# Altium PCB CU-ON-OFF-V2-08-11-18.PcbDoc (part 10 of 14)
Units mm, origin at the board's own origin, x right, y up, seen from the top; angles counter-clockwise.
Board outline 213 x 122.62 mm, 2 copper layers (Top Layer, Bottom Layer); 304 components, 53 nets, 991 pads, 702 vias.
Unrouted connection lines stored in the file: 1.
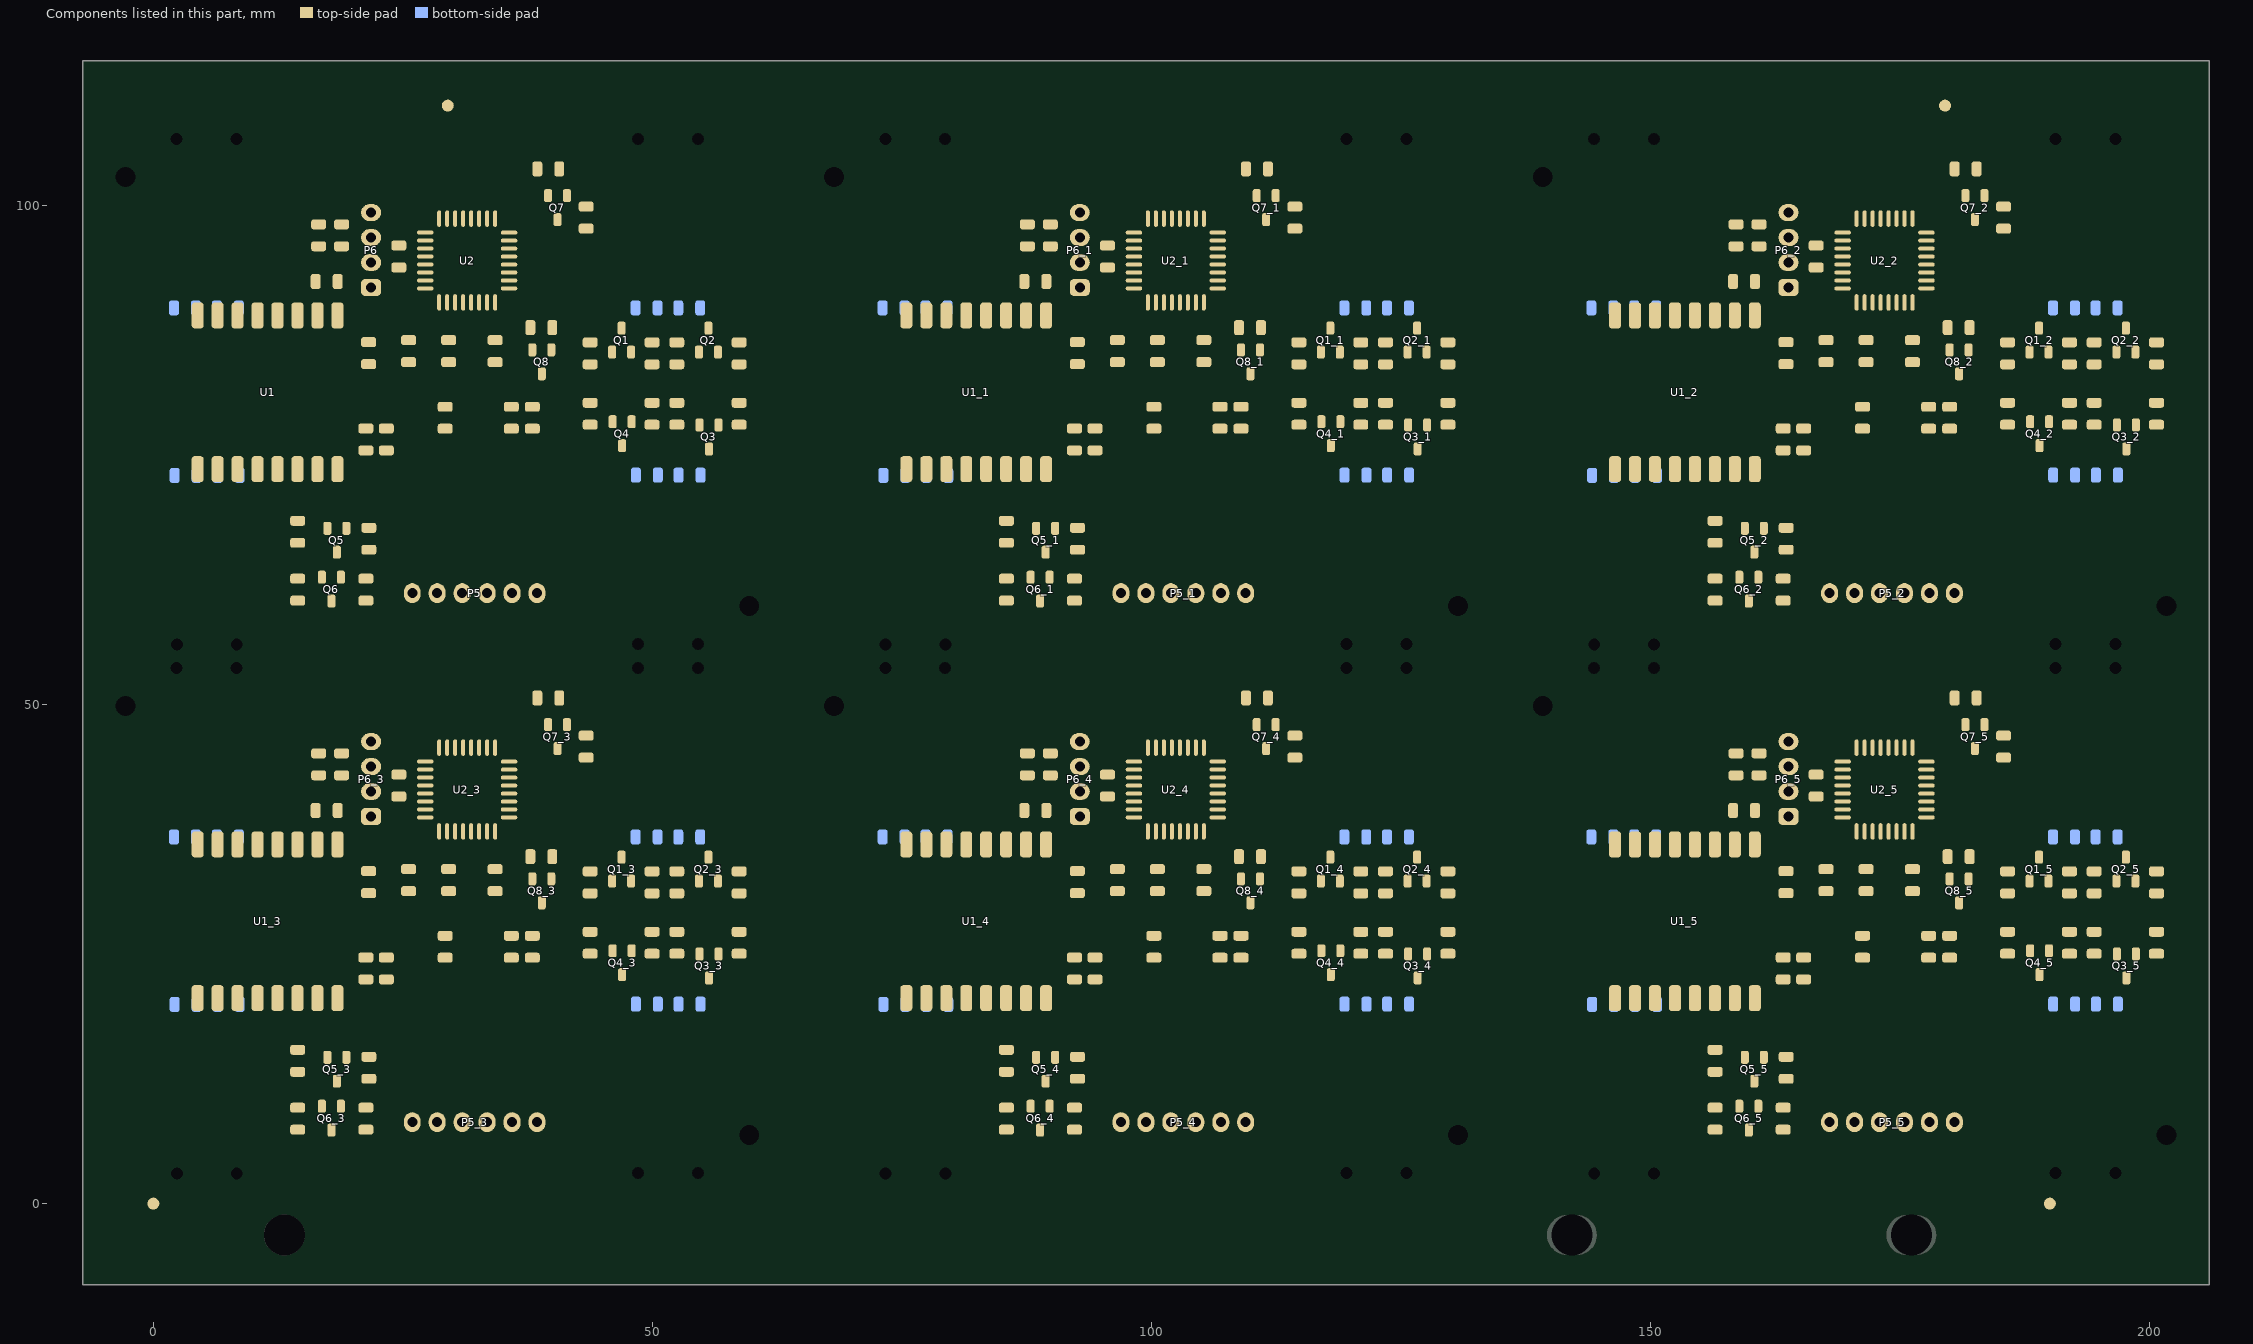
[diagram p10: the components of this part, seen from the top]

## Via types
v1: diameter 0.8, hole 0.5, Top Layer to Bottom Layer, 702 vias

## Nets (pads, with @x,y where several pads share a name; then routed paths per layer and width w, separated by ;. In a path a pad name is that pad's centre, name@x,y a point inside that pad or via, vN(x,y) a via of type N, cw(c..) or ccw(c..) an arc to the next point about the centre after c; other vN are vias at no path point) (continued)
copper on no net: (continued)
  Bottom Layer w0.4: 1.841,20.157 1.841,20.883 cw(c2.865,20.883) 2.141,21.607 ; 1.841,73.156 1.841,73.882 cw(c2.865,73.882) 2.141,74.606 ; 1.929,20.419 ccw(c1.417,20.931) 2.141,20.931 ccw(c2.865,20.931) 2.353,20.419 ; 2.066,36.182 cw(c2.066,35.76) 2.365,36.058 ; 2.066,36.732 2.066,36.357 7.141,31.282 30.741,31.282 31.341,30.682 31.341,28.657 28.87,26.186 ; 2.141,19.957 2.141,21.607 ; 2.366,36.482 ccw(c3.392,36.482) 2.667,35.756 ; 2.441,20.232 2.441,20.899 cw(c4.874,20.899) 3.153,22.62 ; 2.441,73.231 2.441,73.898 cw(c4.874,73.898) 3.153,75.619 ; 4.129,73.418 cw(c4.341,73.63) 4.041,73.63 4.041,74.082 cw(c5.065,74.082) 4.341,74.806 ; 4.166,36.482 ccw(c4.951,36.482) 4.396,35.927 ; 4.266,36.732 4.266,36.057 8.041,32.282 34.741,32.282 ; 4.341,19.957 4.341,21.807 ; 4.553,20.419 cw(c5.065,20.931) 4.341,20.931 cw(c3.617,20.931) 4.129,20.419 cw(c4.341,20.631) 4.041,20.631 4.041,21.083 cw(c5.065,21.083) 4.341,21.807 ; 4.566,36.482 ccw(c6.316,36.482) 5.079,35.244 ; 4.641,19.832 4.641,21.232 cw(c6.452,21.232) 5.172,22.513 cw(c5.641,22.043) 5.641,22.707 ; 4.641,72.831 4.641,74.231 cw(c6.452,74.231) 5.172,75.512 cw(c5.641,75.042) 5.641,75.706 ; 6.066,36.857 6.066,37.518 cw(c7.005,37.518) 6.341,38.182 cw(c7.065,37.458) 7.065,38.482 7.091,38.482 ; 6.066,89.856 6.066,90.517 cw(c7.005,90.517) 6.341,91.181 cw(c7.065,90.457) 7.065,91.481 7.091,91.481 ; 6.141,20.407 6.141,20.762 cw(c7.336,20.762) 6.491,21.607 cw(c6.732,21.366) 6.732,21.707 7.891,21.707 7.741,21.707 ; 6.141,73.406 6.141,73.761 cw(c7.336,73.761) 6.491,74.606 cw(c6.732,74.365) 6.732,74.706 7.891,74.706 7.741,74.706 ; 6.154,37.194 ccw(c5.642,37.706) 6.366,37.706 ccw(c7.09,37.706) 6.578,37.194 ; 6.229,20.419 ccw(c5.717,20.931) 6.441,20.931 ccw(c7.165,20.931) 6.653,20.419 ; 6.366,36.732 6.366,37.757 7.091,38.482 ; 6.441,19.957 6.441,21.232 6.916,21.707 10.216,21.707 14.466,17.457 14.466,12.503 v1(14.833,12.137) ; 6.666,37.032 6.666,37.533 cw(c7.69,37.533) 6.966,38.257 cw(c7.509,37.714) 7.509,38.482 7.841,38.482 ; 6.666,90.031 6.666,90.532 cw(c7.69,90.532) 6.966,91.256 cw(c7.509,90.713) 7.509,91.481 7.841,91.481 ; 6.741,19.782 6.741,21.13 cw(c7.168,21.13) 6.866,21.432 cw(c7.53,20.768) 7.53,21.707 8.216,21.707 ; 6.741,72.781 6.741,74.129 cw(c7.168,74.129) 6.866,74.431 cw(c7.53,73.767) 7.53,74.706 8.216,74.706 ; 8.516,37.107 ccw(c8.757,37.348) 8.757,37.007 12.291,37.007 ; 8.516,90.106 ccw(c8.757,90.347) 8.757,90.006 12.291,90.006 ; 8.566,36.732 12.191,36.732 16.091,40.632 16.091,46.907 19.141,49.957 33.741,49.957 37.75,45.948 ; 8.641,19.407 cw(c8.641,18.079) 9.58,19.018 ; 8.641,19.957 12.841,15.757 12.841,9.582 13.941,8.482 15.838,8.482 ; 8.741,37.282 12.387,37.282 ccw(c12.387,38.136) 12.991,37.532 12.28,36.821 ; 8.741,90.281 12.387,90.281 ccw(c12.387,91.135) 12.991,90.531 12.28,89.82 ; 8.778,36.52 cw(c9.29,36.008) 9.29,36.732 cw(c9.29,37.456) 8.778,36.944 ; 8.966,20.507 cw(c8.966,19.662) 9.563,20.26 11.943,17.88 cw(c9.775,15.712) 12.841,15.712 12.841,14.082 ; 8.966,73.506 cw(c8.966,72.661) 9.563,73.259 11.943,70.879 cw(c9.775,68.711) 12.841,68.711 12.841,67.081 ; v1@10.666,33.507 24.366,33.507 30.641,39.782 v1(31.066,39.782) ; v1@10.891,33.782 12.391,33.507 v1@10.991,33.257 ; 10.891,86.781 12.391,86.506 10.991,86.256 ; v1@10.957,33.366 cw(c11.299,33.024) 11.299,33.507 cw(c11.299,33.99) v1@10.957,33.648 ; 11.941,16.657 12.187,16.411 cw(c10.608,14.832) 12.841,14.832 ; 11.941,69.656 12.187,69.41 cw(c10.608,67.831) 12.841,67.831 ; v1@13.916,12.407 ccw(c12.588,13.735) 14.466,13.735 14.466,14.257 14.466,13.781 ccw(c16.515,13.781) v1@15.066,12.332 ; 13.916,65.406 ccw(c12.588,66.734) 14.466,66.734 14.466,67.256 14.466,66.78 ccw(c16.515,66.78) 15.066,65.331 ; v1@13.916,12.278 ccw(c12.59,13.605) 14.466,13.605 ; v1@14.199,11.995 ccw(c13.556,12.639) 14.466,12.639 ; 14.466,12.54 ccw(c15.236,12.54) v1@14.691,11.995 ; 14.466,13.505 ccw(c16.202,13.505) v1@14.974,12.278 ; 14.541,10.357 15.343,10.357 ccw(c15.343,10.955) 15.766,10.532 ccw(c14.921,11.377) 16.116,11.377 16.116,11.382 ; 14.541,63.356 15.343,63.356 ccw(c15.343,63.953) 15.766,63.531 ccw(c14.921,64.376) 16.116,64.376 16.116,64.381 ; v1@14.833,6.137 cw(c14.833,5.654) 15.174,5.995 cw(c15.516,6.337) v1@15.033,6.337 ; v1(14.833,6.337) 16.216,4.953 ; v1@14.857,10.464 ccw(c14.86,11.278) 15.436,10.702 ; v1(14.858,10.664) 15.397,10.664 16.116,11.382 ; v1@14.859,10.864 ccw(c14.864,12.634) 16.116,11.382 ; v1@14.866,10.957 14.876,10.957 ccw(c14.876,12.261) 15.798,11.339 ccw(c15.03,12.107) 16.116,12.107 ; 14.866,63.956 14.876,63.956 ccw(c14.876,65.26) 15.798,64.338 ccw(c15.03,65.106) 16.116,65.106 ; 14.889,8.482 14.894,8.482 cw(c14.894,6.86) 16.041,8.007 cw(c15.377,7.343) 16.316,7.343 v1@16.316,6.907 ; 14.889,61.481 14.894,61.481 cw(c14.894,59.859) 16.041,61.006 cw(c15.377,60.342) 16.316,60.342 16.316,59.906 ; v1@14.999,10.522 cw(c15.341,10.181) 15.341,10.664 cw(c15.341,11.146) v1@14.999,10.805 ; 15.591,5.578 ccw(c14.435,4.423) 14.435,6.057 14.341,6.057 cw(c14.341,4.79) 15.237,5.686 15.795,5.128 ccw(c16.216,5.548) 16.216,4.953 ; 15.591,58.577 ccw(c14.435,57.422) 14.435,59.056 14.341,59.056 cw(c14.341,57.789) 15.237,58.685 15.795,58.127 ccw(c16.216,58.547) 16.216,57.952 ; 15.838,61.481 16.268,61.481 ; v1@16.419,7.7 ccw(c15.937,7.7) 16.278,8.041 ccw(c16.619,8.383) 16.619,7.9 ccw(c16.062,7.9) 16.456,8.294 16.268,8.482 ; v1(16.619,7.7) 15.838,8.482 ; 16.619,60.899 ccw(c16.062,60.899) 16.456,61.293 16.268,61.481 ; 16.641,18.182 cw(c15.374,16.915) 17.166,16.915 17.166,12.307 ; 16.641,71.181 cw(c15.374,69.914) 17.166,69.914 17.166,65.306 ; v1@16.916,7.707 16.916,7.764 ccw(c16.148,7.764) 16.691,8.307 ccw(c16.268,7.885) 16.268,8.482 ; 16.916,60.706 16.916,60.763 ccw(c16.148,60.763) 16.691,61.306 ccw(c16.268,60.884) 16.268,61.481 ; v1@17.329,12.741 ccw(c16.987,13.083) 17.47,13.083 ccw(c17.953,13.083) v1@17.611,12.741 ; v1@17.47,12.475 17.47,17.353 ; 17.47,70.352 cw(c16.755,69.637) 17.766,69.637 17.766,65.281 ; 17.766,12.282 17.766,16.638 ccw(c16.755,16.638) 17.47,17.353 ; 18.216,4.953 17.167,4.953 cw(c17.167,6.758) 15.891,5.482 15.24,6.133 cw(c15.538,6.432) 15.116,6.432 ccw(c15.237,6.432) 15.151,6.347 15.566,5.932 ccw(c17.437,7.803) 17.437,5.157 21.891,5.157 ; 18.216,57.952 17.167,57.952 cw(c17.167,59.757) 15.891,58.481 15.24,59.132 cw(c15.538,59.431) 15.116,59.431 ccw(c15.237,59.431) 15.151,59.346 15.566,58.931 ccw(c17.437,60.802) 17.437,58.156 21.891,58.156 ; v1@20.791,19.057 20.791,6.906 ccw(c22.84,6.906) 21.391,5.457 ccw(c22.607,6.673) 22.607,4.953 24.366,4.953 ; 20.791,72.056 20.791,59.905 ccw(c22.84,59.905) 21.391,58.456 ccw(c22.607,59.672) 22.607,57.952 24.366,57.952 ; v1@21.141,29.682 cw(c21.141,27.751) 22.507,29.116 22.566,29.057 cw(c20.755,27.246) 23.316,27.246 23.316,26.932 ; 21.141,82.681 cw(c21.141,80.75) 22.507,82.115 22.566,82.056 cw(c20.755,80.245) 23.316,80.245 23.316,79.931 ; v1@21.725,18.691 cw(c21.383,18.349) 21.866,18.349 cw(c22.349,18.349) v1@22.007,18.691 ; 21.816,38.782 23.666,38.782 24.133,39.249 v1(24.133,44.925) ; v1(21.866,18.832) 21.866,6.253 23.166,4.953 ; v1@21.928,29.795 23.316,28.407 ; v1@21.941,30.282 cw(c21.941,29.678) 22.368,30.105 22.786,29.687 cw(c21.505,28.407) 23.316,28.407 ; 21.941,83.281 cw(c21.941,82.677) 22.368,83.104 22.786,82.686 cw(c21.505,81.406) 23.316,81.406 ; 22.066,82.981 22.939,82.108 cw(c22.512,81.681) 23.116,81.681 ; 22.166,19.157 22.166,6.849 ccw(c23.958,6.849) 22.691,5.582 ccw(c24.209,7.1) 24.209,4.953 25.766,4.953 ; 22.166,72.156 22.166,59.848 ccw(c23.958,59.848) 22.691,58.581 ccw(c24.209,60.099) 24.209,57.952 25.766,57.952 ; 22.296,29.427 cw(c22.851,29.982) 22.066,29.982 22.939,29.109 cw(c22.512,28.682) 23.116,28.682 ; 22.426,38.322 cw(c23.535,37.213) 23.535,38.782 cw(c23.535,40.351) 22.426,39.242 ; v1@23.992,44.784 cw(c23.65,44.442) 24.133,44.442 cw(c24.616,44.442) v1@24.274,44.784 ; v1@24.274,45.559 cw(c24.616,45.217) 24.616,45.7 cw(c24.616,46.183) v1@24.274,45.841 ; v1@24.276,45.56 cw(c24.608,45.236) v1@24.608,45.7 ; v1@24.276,45.84 ccw(c24.608,46.164) v1@24.608,45.7 ; 24.441,42.982 cw(c26.976,42.982) 25.183,44.774 25.211,44.802 cw(c27.379,42.634) 27.379,45.7 27.641,45.7 ; 24.441,95.981 cw(c26.976,95.981) 25.183,97.773 25.211,97.801 cw(c27.379,95.633) 27.379,98.699 27.641,98.699 ; 24.616,45.982 33.077,45.982 ; 24.616,98.981 33.077,98.981 ; 25.041,45.307 25.067,45.307 ccw(c25.067,46.649) 26.016,45.7 25.406,45.09 cw(c25.266,45.23) v1@25.266,45.032 ; 25.041,98.306 25.067,98.306 ccw(c25.067,99.648) 26.016,98.699 25.406,98.089 cw(c25.266,98.229) 25.266,98.031 ; v1@25.049,45.559 cw(c25.391,45.217) 25.391,45.7 cw(c25.391,46.183) v1@25.049,45.841 ; 25.316,8.507 26.116,11.032 26.566,8.507 ; 25.316,61.506 26.116,64.031 26.566,61.506 ; 25.341,9.232 26.116,12.007 26.591,9.157 ; 25.341,62.231 26.116,65.006 26.591,62.156 ; v1@25.391,30.007 25.391,29.232 cw(c23.641,27.482) 26.116,27.482 26.116,27.407 26.116,30.186 ccw(c25.945,30.186) 26.066,30.307 ccw(c25.945,30.186) 25.945,30.357 v1@25.566,30.357 ; 25.391,83.006 25.391,82.231 cw(c23.641,80.481) 26.116,80.481 26.116,80.406 26.116,83.185 ccw(c25.945,83.185) 26.066,83.306 ccw(c25.945,83.185) 25.945,83.356 25.566,83.356 ; v1@25.437,29.523 ccw(c25.096,29.865) 25.578,29.865 ccw(c26.061,29.865) v1@25.72,29.523 ; v1@25.437,30.016 cw(c25.096,29.674) 25.578,29.674 cw(c26.061,29.674) v1@25.72,30.016 ; v1@25.461,29.995 cw(c25.326,29.809) v1@25.548,29.75 ; 25.481,8.767 ccw(c23.949,10.299) 26.116,10.299 ; v1@25.578,29.182 cw(c25.578,28.699) 25.92,29.041 cw(c26.261,29.382) v1@25.778,29.382 ; v1(25.578,30.157) v1(25.578,29.382) 26.116,28.844 26.116,8.332 ; v1@25.609,29.75 cw(c25.831,29.809) v1@25.696,29.995 ; 25.764,8.484 ccw(c24.915,9.333) 26.116,9.333 ; 26.116,9.454 ccw(c27.088,9.454) 26.401,8.767 ; 26.416,5.957 ccw(c26.416,7.466) 27.483,6.399 ccw(c26.739,7.143) 27.791,7.143 27.791,8.132 ; 26.416,58.956 ccw(c26.416,60.465) 27.483,59.398 ccw(c26.739,60.142) 27.791,60.142 27.791,61.131 ; 27.116,25.932 cw(c28.565,25.932) 27.54,26.956 29.579,28.995 ccw(c29.067,29.507) v1@29.791,29.507 ; 27.116,78.931 cw(c28.565,78.931) 27.54,79.955 29.579,81.994 ccw(c29.067,82.506) 29.791,82.506 ; 27.541,58.956 27.977,58.956 ccw(c27.977,59.895) 28.641,59.231 ccw(c27.615,60.257) 29.066,60.257 29.066,61.081 ; 28.106,7.45 cw(c27.749,6.857) 28.441,6.857 ; 28.441,8.157 28.441,6.857 ; v1@28.541,23.507 28.541,25.391 cw(c29.665,25.391) 28.87,26.186 ; 28.541,76.506 28.541,78.39 cw(c29.665,78.39) 28.87,79.185 28.87,79.156 ; v1@28.632,19.691 cw(c28.974,19.349) 28.974,19.832 cw(c28.974,20.315) v1@28.632,19.973 ; v1@28.653,19.714 cw(c28.839,19.579) v1@28.898,19.801 ; v1@28.653,19.95 ccw(c28.839,20.085) v1@28.898,19.863 ; v1@28.691,23.703 ccw(c28.259,24.135) 28.87,24.135 ; 28.776,7.45 ccw(c29.133,6.857) 28.441,6.857 ; v1@28.87,23.524 28.87,26.186 ; 28.87,26.157 28.87,26.186 ; 28.891,41.057 32.616,41.057 ; 28.916,40.807 cw(c29.52,40.203) 29.52,41.057 32.616,41.057 ; 28.916,93.806 cw(c29.52,93.202) 29.52,94.056 32.616,94.056 ; 29.066,8.082 29.066,7.258 cw(c27.615,7.258) 28.641,6.232 cw(c27.977,6.896) 27.977,5.957 27.541,5.957 ; v1@29.125,19.691 ccw(c28.783,19.349) 28.783,19.832 ccw(c28.783,20.315) 29.125,19.973 ccw(c28.783,20.315) 29.266,20.315 ccw(c29.749,20.315) v1@29.407,19.973 ; v1@29.125,20.466 cw(c28.783,20.124) 29.266,20.124 cw(c29.749,20.124) v1@29.407,20.466 ; v1@29.148,20.445 cw(c29.013,20.259) v1@29.235,20.2 ; v1(29.266,19.832) 29.941,20.607 ; v1@29.297,20.2 cw(c29.519,20.259) v1@29.384,20.445 ; v1@29.391,29.407 cw(c28.908,29.407) 29.25,29.066 ; v1@29.391,29.907 cw(c27.701,29.907) 28.896,28.712 28.466,28.282 29.25,29.066 ; 29.391,82.906 cw(c27.701,82.906) 28.896,81.711 28.466,81.281 29.25,82.065 cw(c29.591,81.723) 29.591,82.206 ; v1@29.45,29.548 ccw(c29.108,29.89) 29.591,29.89 ccw(c30.074,29.89) v1@29.732,29.548 ; v1@29.45,30.041 cw(c29.108,29.699) 29.591,29.699 cw(c30.074,29.699) v1@29.732,30.041 ; v1@29.473,29.569 ccw(c29.338,29.755) v1@29.56,29.814 ; v1(29.591,30.182) v1(29.591,29.407) 27.116,26.932 27.116,18.282 33.441,11.957 ; v1@29.622,29.814 ccw(c29.844,29.755) v1@29.709,29.569 ; v1@29.891,23.557 29.891,25.937 cw(c32.957,25.937) 30.789,28.105 30.841,28.157 ; 29.891,76.556 29.891,78.936 cw(c32.957,78.936) 30.789,81.104 30.841,81.156 ; 29.966,41.057 28.941,41.257 31.266,41.057 ; 29.966,94.056 28.941,94.256 31.266,94.056 ; 30.691,41.057 cw(c30.751,40.997) 30.751,41.082 32.516,41.082 cw(c32.516,40.901) 32.644,41.029 33.141,40.532 33.666,40.007 ; 30.691,94.056 cw(c30.751,93.996) 30.751,94.081 32.516,94.081 cw(c32.516,93.9) 32.644,94.028 33.141,93.531 33.666,93.006 ; v1@31.016,40.082 ccw(c31.016,39.901) 30.888,40.029 29.916,39.057 cw(c30.942,38.031) 30.942,39.482 v1@31.241,39.482 ; 31.016,93.081 ccw(c31.016,92.9) 30.888,93.028 29.916,92.056 cw(c30.942,91.03) 30.942,92.481 31.241,92.481 ; v1(31.791,42.247) 33.301,42.247 34.816,40.732 34.816,36.507 43.048,28.275 48.333,28.275 v1(48.695,27.914) ; v1(31.798,43.675) 34.248,43.675 ; v1@31.932,42.106 cw(c32.274,41.764) 32.274,42.247 cw(c32.274,42.73) v1@31.932,42.388 ; v1@31.939,43.534 cw(c32.281,43.192) 32.281,43.675 cw(c32.281,44.158) v1@31.939,43.816 ; v1@32.159,42.216 cw(c32.218,41.994) v1@32.404,42.129 ; v1@32.159,42.278 ccw(c32.218,42.5) v1@32.404,42.365 ; 32.166,13.232 cw(c30.657,11.723) 32.791,11.723 32.791,7.982 ; v1@32.166,43.644 cw(c32.225,43.422) v1@32.411,43.557 ; v1@32.166,43.706 ccw(c32.225,43.928) v1@32.411,43.793 ; 32.166,66.231 cw(c30.657,64.722) 32.791,64.722 32.791,60.981 ; 32.216,43.482 33.769,43.482 cw(c33.769,41.86) 34.916,43.007 ; 32.216,96.481 33.769,96.481 cw(c33.769,94.859) 34.916,96.006 ; v1@32.241,42.057 32.749,42.057 cw(c32.749,40.265) 34.016,41.532 ; 32.241,95.056 32.749,95.056 cw(c32.749,93.264) 34.016,94.531 ; 32.291,4.953 33.473,4.953 ccw(c33.473,7.1) 34.991,5.582 ccw(c34.267,6.306) 35.291,6.306 35.291,8.107 ; 32.291,57.952 33.473,57.952 ccw(c33.473,60.099) 34.991,58.581 ccw(c34.267,59.305) 35.291,59.305 35.291,61.106 ; v1@32.425,42.106 ccw(c32.083,41.764) 32.083,42.247 ccw(c32.083,42.73) v1@32.425,42.388 ; v1@32.432,43.534 ccw(c32.09,43.192) 32.09,43.675 ccw(c32.09,44.158) v1@32.432,43.816 ; v1@32.441,43.857 33.809,43.857 cw(c33.809,43.236) 34.248,43.675 ; 32.441,96.856 33.809,96.856 cw(c33.809,96.235) 34.248,96.674 ; v1@32.541,42.457 cw(c32.541,41.129) 33.48,42.068 33.741,41.807 ; 32.541,95.456 cw(c32.541,94.128) 33.48,95.067 33.741,94.806 ; v1@32.707,42.106 cw(c33.049,41.764) 33.049,42.247 cw(c33.049,42.73) v1@32.707,42.388 ; v1@32.714,43.534 cw(c33.056,43.192) 33.056,43.675 cw(c33.056,44.158) v1@32.714,43.816 ; 32.841,45.7 cw(c32.841,43.486) 34.406,45.052 35.491,43.967 ; 32.841,98.699 cw(c32.841,96.485) 34.406,98.051 35.491,96.966 ; 32.981,8.767 ccw(c31.872,9.876) 33.441,9.876 ccw(c35.01,9.876) 33.901,8.767 ; 33.091,12.282 cw(c32.91,12.101) 33.166,12.101 33.166,8.757 ; 33.091,65.281 cw(c32.91,65.1) 33.166,65.1 33.166,61.756 ; 33.316,32.282 cw(c33.316,29.928) 34.98,31.593 v1@37.916,28.657 ; 33.316,85.281 cw(c33.316,82.927) 34.98,84.592 37.916,81.656 ; 33.441,8.157 33.441,11.957 ; 33.441,64.956 cw(c31.872,63.387) 34.091,63.387 34.091,61.281 ; 33.616,11.507 cw(c33.254,11.145) 33.766,11.145 33.766,8.582 ; 33.616,64.506 cw(c33.254,64.144) 33.766,64.144 33.766,61.581 ; 33.758,98.699 ccw(c33.077,98.018) 33.077,98.981 ; 34.091,8.282 34.091,10.388 ccw(c31.872,10.388) 33.441,11.957 ; 34.637,57.952 35.708,57.952 ccw(c35.708,58.989) 36.441,58.256 ccw(c36.079,58.618) 36.591,58.618 36.591,61.231 36.591,64.681 cw(c39.066,64.681) 37.316,66.431 ; 34.741,85.281 cw(c34.741,82.444) 36.747,84.45 39.041,82.156 ; 35.316,7.182 35.316,10.548 ; 35.316,60.181 35.316,63.547 ; 35.481,7.547 cw(c34.372,6.438) 35.941,6.438 cw(c37.51,6.438) 36.401,7.547 ; 35.481,8.767 ccw(c34.372,9.876) 35.941,9.876 ccw(c37.51,9.876) 36.401,8.767 ; 35.516,11.757 cw(c36.361,11.757) 35.763,12.355 47.453,24.044 cw(c47.666,23.83) 47.666,24.132 ; 35.516,64.756 cw(c36.361,64.756) 35.763,65.353 47.453,77.043 cw(c47.666,76.829) 47.666,77.131 ; 35.566,8.807 35.566,11.245 cw(c36.078,11.245) 35.716,11.607 ; 35.566,61.806 35.566,64.244 cw(c36.078,64.244) 35.716,64.606 ; 35.941,65.056 ccw(c37.45,63.547) 35.316,63.547 ; v1@36.125,36.948 ccw(c35.783,37.29) 36.266,37.29 ccw(c36.749,37.29) v1@36.407,36.948 ; v1@36.125,37.441 cw(c35.783,37.099) 36.266,37.099 cw(c36.749,37.099) v1@36.407,37.441 ; v1@36.148,36.969 ccw(c36.013,37.155) v1@36.235,37.214 ; v1(36.266,37.582) 36.266,36.557 43.698,29.125 51.095,29.125 ; 36.291,8.632 36.291,12.17 cw(c36.803,12.17) 36.441,12.532 ; 36.291,61.631 36.291,65.169 cw(c36.803,65.169) 36.441,65.531 ; v1@36.297,37.214 ccw(c36.519,37.155) v1@36.384,36.969 ; 36.435,104.099 36.456,104.099 ccw(c36.456,104.891) 37.016,104.331 ; v1@36.466,36.807 ccw(c37.552,36.807) 36.784,36.039 ; v1@36.566,36.807 ccw(c37.894,36.807) 36.955,35.868 37.316,35.507 ; 36.566,89.806 ccw(c37.894,89.806) 36.955,88.867 37.316,88.506 ; 36.666,47.032 ccw(c38.597,48.963) 38.597,46.232 v1@39.566,46.232 ; 36.666,100.031 ccw(c38.597,101.962) 38.597,99.231 39.566,99.231 ; v1@37.009,50.325 ccw(c36.527,50.325) 36.868,50.666 ccw(c37.209,51.008) v1@37.209,50.525 ; v1@37.016,50.107 36.594,50.529 ccw(c35.216,49.152) 35.216,51.1 v1@37.191,51.407 ; v1@37.016,51.332 cw(c36.456,51.892) 36.456,51.1 36.435,51.1 ; 37.016,103.106 36.594,103.528 ccw(c35.216,102.151) 35.216,104.099 37.191,104.406 ; v1(37.209,50.325) 36.435,51.1 ; 37.316,13.432 ccw(c39.066,11.682) 36.591,11.682 36.591,8.232 36.591,5.619 cw(c36.079,5.619) 36.441,5.257 cw(c35.708,5.99) 35.708,4.953 34.637,4.953 ; v1@37.675,36.973 ccw(c37.333,37.315) 37.816,37.315 ccw(c38.299,37.315) v1@37.957,36.973 ; v1@37.675,37.466 cw(c37.333,37.124) 37.816,37.124 cw(c38.299,37.124) v1@37.957,37.466 ; v1@37.698,36.994 ccw(c37.563,37.18) v1@37.785,37.239 ; 37.714,29.309 cw(c37.287,28.882) v1@37.891,28.882 ; 37.75,98.947 38.286,98.411 ccw(c39.566,99.692) 39.566,97.881 ; v1(37.816,37.607) 37.816,36.507 44.158,30.165 v1@44.158,30.163 ; v1@37.847,37.239 ccw(c38.069,37.18) v1@37.934,36.994 ; v1@38.016,36.832 ccw(c39.283,36.832) 38.387,35.936 ; v1@38.116,36.832 ccw(c39.625,36.832) 38.558,35.765 39.416,34.907 ; 38.116,89.831 ccw(c39.625,89.831) 38.558,88.764 39.416,87.906 ; v1@38.153,28.87 34.741,32.282 ; 38.566,8.682 39.916,8.682 ; v1@39.041,29.157 36.747,31.451 ccw(c34.741,29.445) 34.741,32.282 ; v1@39.43,45.807 ccw(c39.088,45.465) 39.088,45.948 ccw(c39.088,46.431) v1@39.43,46.089 ; v1@39.466,27.532 ccw(c39.466,28.136) 39.893,27.709 39.916,27.732 ccw(c39.192,28.456) 40.216,28.456 40.216,29.057 ccw(c39.069,29.057) 39.88,29.868 39.516,30.232 ; 39.466,80.531 ccw(c39.466,81.135) 39.893,80.708 39.916,80.731 ccw(c39.192,81.455) 40.216,81.455 40.216,82.056 ccw(c39.069,82.056) 39.88,82.867 39.516,83.231 ; v1@39.566,44.882 cw(c39.566,46.693) 38.286,45.412 37.75,45.948 ; v1(39.571,45.948) 37.75,45.948 ; 39.765,10.282 39.007,9.524 ccw(c40.374,8.157) 38.441,8.157 cw(c38.441,7.192) 39.124,7.874 39.916,7.082 ; 39.765,63.281 39.007,62.523 ccw(c40.374,61.156) 38.441,61.156 cw(c38.441,60.19) 39.124,60.873 39.916,60.081 ; v1(40.341,26.482) v1(40.341,27.257) ; 40.341,80.256 41.856,80.256 ; v1@41.491,50.082 42.883,48.69 cw(c41.474,47.282) 43.466,47.282 ; 41.491,103.081 42.883,101.689 cw(c41.474,100.281) 43.466,100.281 ; v1@41.722,50.065 cw(c41.722,49.412) 42.184,49.874 ; v1@41.758,50.3 43.466,48.592 43.466,35.992 ; 41.856,27.257 v1(40.341,27.257) ; 42.016,50.732 ccw(c43.682,50.732) 42.504,49.554 43.401,48.657 ; 42.016,103.731 ccw(c43.682,103.731) 42.504,102.553 43.401,101.656 ; 43.466,38.332 43.466,37.299 ccw(c45.258,37.299) 43.991,36.032 ; 43.466,91.331 43.466,90.298 ccw(c45.258,90.298) 43.991,89.031 ; 43.555,83.767 44.253,83.069 ccw(c44.466,83.283) 44.466,82.981 ; v1@44.466,29.982 cw(c44.466,30.284) 44.253,30.07 43.555,30.768 ccw(c44.516,31.729) v1@44.516,30.37 ; v1(44.516,30.17) v1(45.291,30.17) ; v1@44.657,30.029 cw(c44.999,29.687) 44.999,30.17 cw(c44.999,30.653) v1@44.657,30.311 ; v1@44.884,30.139 cw(c44.943,29.917) v1@45.129,30.052 ; v1@44.884,30.201 ccw(c44.943,30.423) v1@45.129,30.288 ; 44.983,27.173 cw(c44.988,27.167) 44.988,27.175 v1(46.008,27.175) ; 44.983,80.172 cw(c44.988,80.166) 44.988,80.174 46.008,80.174 ; v1@45.149,30.029 ccw(c44.808,29.687) 44.808,30.17 ccw(c44.808,30.653) 